# EAGLE board RedBoard-Panel (EAGLE 9.6.2), part 3 of 6
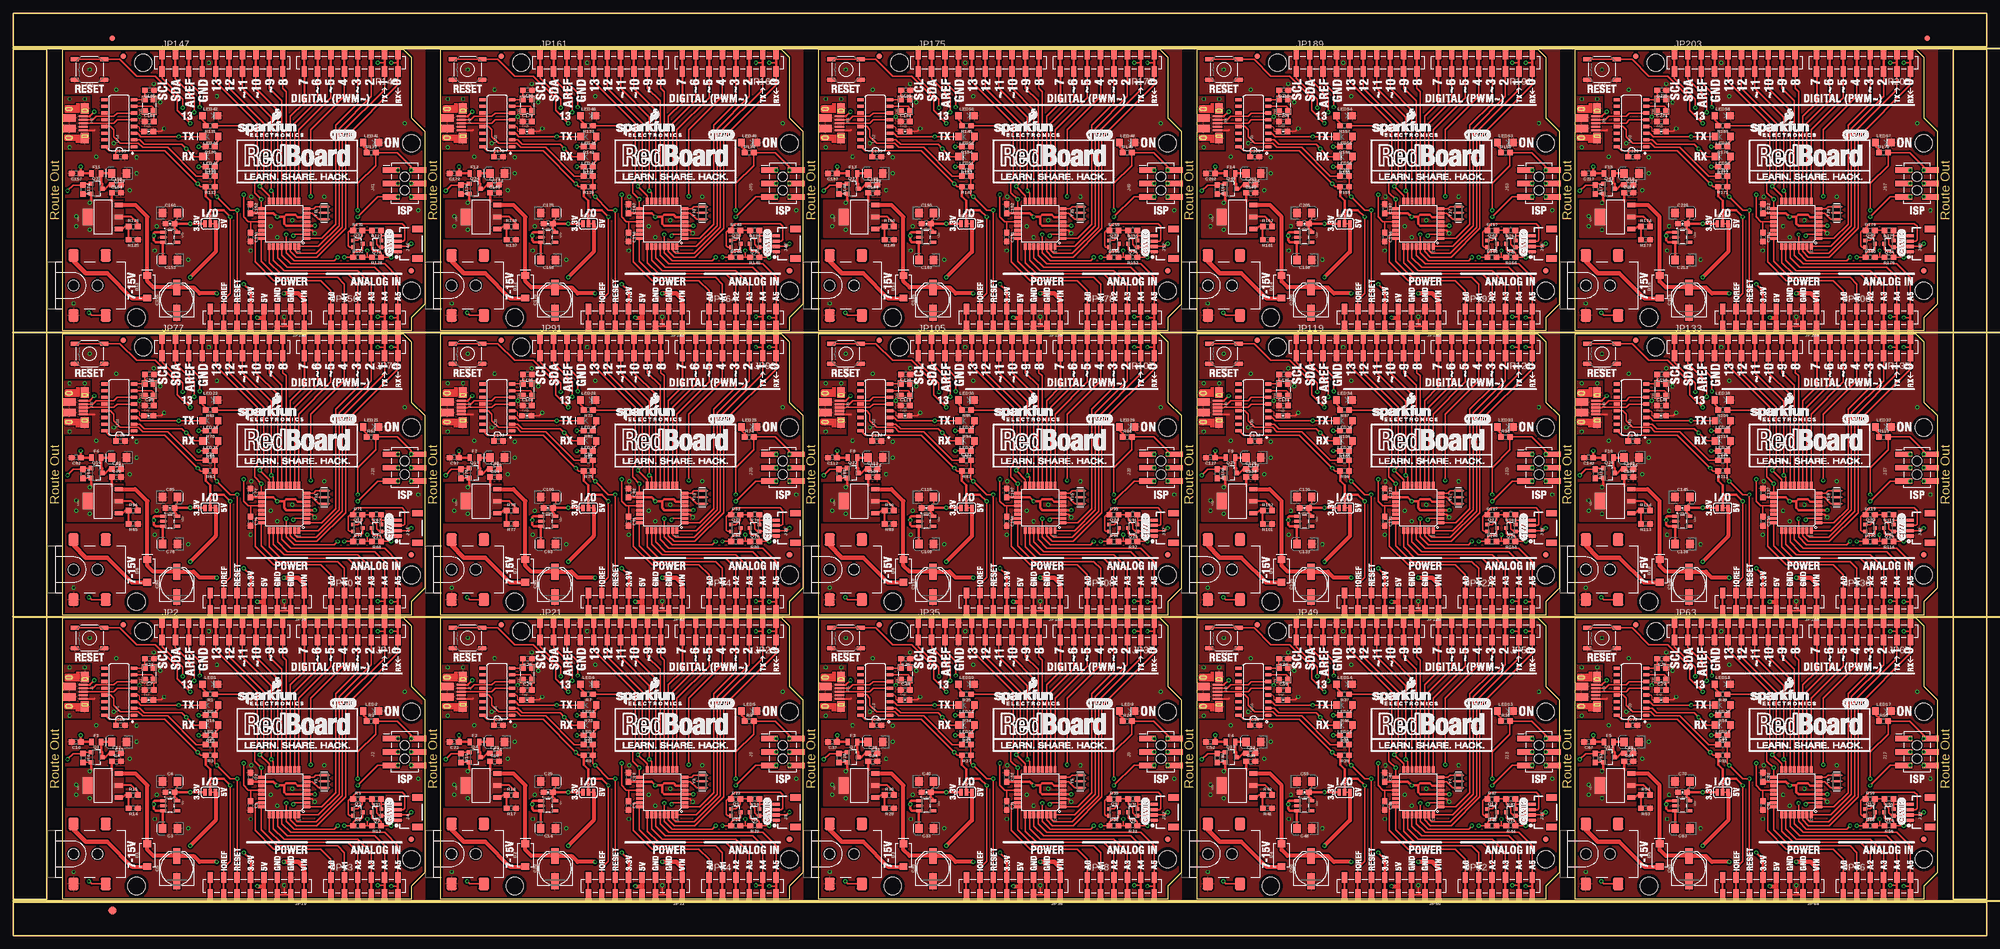
[diagram p0: board, top side]
## Tracks (layer width: path | path; a pad name or v marks a point on that pad's centre or on a via) (continued)
3.3V3  (via drill 0.38) (continued)
  Top 0.508: JP50.5 259.84,14.48 v258.57,15.75 | I/O3.1 v248.41,27.18 C56.1 245.45,26.33 245.87,25.91 245.87,25.62 U15.5
  Bottom 0.305: v258.57,15.75 259.46,14.86 275.46,14.86 282.7,7.62 287.27,7.62 287.78,8.13 287.78,20.83 v290.32,23.37
  Bottom 0.508: v248.41,27.18 248.41,25.91 v258.57,15.75
3.3V4  (via drill 0.38)
  Top 0.254: 331.47,11.05 JP64.5
  Top 0.305: C70.+ 317.63,28.07 317.08,27.52 C71.1 | Q15.1 351.81,24.02 352.64,24.85 R59.2 R55.2 354.5,24.98 355.35,24.13 355.35,23.24 355.87,22.72 Q14.1 357.74,22.72 357.89,22.87 J20.2 361.45,22.87 v361.95,23.37
  Top 0.508: JP64.5 331.47,14.48 v330.2,15.75 | I/O4.1 v320.04,27.18 C71.1 317.08,26.33 317.5,25.91 317.5,25.62 U19.5
  Bottom 0.305: v330.2,15.75 331.09,14.86 347.09,14.86 354.33,7.62 358.9,7.62 359.41,8.13 359.41,20.83 v361.95,23.37
  Bottom 0.508: v320.04,27.18 320.04,25.91 v330.2,15.75
3.3V5  (via drill 0.38)
  Top 0.254: 44.96,64.9 JP78.5
  Top 0.305: C85.+ 31.12,81.92 30.57,81.37 C86.1 | Q18.1 65.29,77.87 66.13,78.7 R71.2 R67.2 67.98,78.83 68.83,77.98 68.83,77.09 69.36,76.57 Q17.1 71.23,76.57 71.38,76.72 J24.2 74.94,76.72 v75.44,77.22
  Top 0.508: JP78.5 44.96,68.33 v43.69,69.6 | I/O5.1 v33.53,81.03 C86.1 30.57,80.18 30.99,79.76 30.99,79.47 U23.5
  Bottom 0.305: v43.69,69.6 44.58,68.71 60.58,68.71 67.82,61.47 72.39,61.47 72.9,61.98 72.9,74.68 v75.44,77.22
  Bottom 0.508: v33.53,81.03 33.53,79.76 v43.69,69.6
3.3V6  (via drill 0.38)
  Top 0.254: 116.59,64.9 JP92.5
  Top 0.305: C100.+ 102.75,81.92 102.2,81.37 C101.1 | Q21.1 136.92,77.87 137.76,78.7 R83.2 R79.2 139.61,78.83 140.46,77.98 140.46,77.09 140.98,76.57 Q20.1 142.86,76.57 143.01,76.72 J28.2 146.57,76.72 v147.07,77.22
  Top 0.508: JP92.5 116.59,68.33 v115.32,69.6 | I/O6.1 v105.16,81.03 C101.1 102.2,80.18 102.62,79.76 102.62,79.47 U27.5
  Bottom 0.305: v115.32,69.6 116.2,68.71 132.21,68.71 139.45,61.47 144.02,61.47 144.53,61.98 144.53,74.68 v147.07,77.22
  Bottom 0.508: v105.16,81.03 105.16,79.76 v115.32,69.6
3.3V7  (via drill 0.38)
  Top 0.254: 188.21,64.9 JP106.5
  Top 0.305: C115.+ 174.37,81.92 173.82,81.37 C116.1 | Q24.1 208.55,77.87 209.38,78.7 R95.2 R91.2 211.24,78.83 212.09,77.98 212.09,77.09 212.61,76.57 Q23.1 214.49,76.57 214.64,76.72 J32.2 218.19,76.72 v218.69,77.22
  Top 0.508: JP106.5 188.21,68.33 v186.94,69.6 | I/O7.1 v176.78,81.03 C116.1 173.82,80.18 174.24,79.76 174.24,79.47 U31.5
  Bottom 0.305: v186.94,69.6 187.83,68.71 203.84,68.71 211.07,61.47 215.65,61.47 216.15,61.98 216.15,74.68 v218.69,77.22
  Bottom 0.508: v176.78,81.03 176.78,79.76 v186.94,69.6
3.3V8  (via drill 0.38)
  Top 0.254: 259.84,64.9 JP120.5
  Top 0.305: C130.+ 246,81.92 245.45,81.37 C131.1 | Q27.1 280.18,77.87 281.01,78.7 R107.2 R103.2 282.87,78.83 283.72,77.98 283.72,77.09 284.24,76.57 Q26.1 286.12,76.57 286.27,76.72 J36.2 289.82,76.72 v290.32,77.22
  Top 0.508: JP120.5 259.84,68.33 v258.57,69.6 | I/O8.1 v248.41,81.03 C131.1 245.45,80.18 245.87,79.76 245.87,79.47 U35.5
  Bottom 0.305: v258.57,69.6 259.46,68.71 275.46,68.71 282.7,61.47 287.27,61.47 287.78,61.98 287.78,74.68 v290.32,77.22
  Bottom 0.508: v248.41,81.03 248.41,79.76 v258.57,69.6
3.3V9  (via drill 0.38)
  Top 0.254: 331.47,64.9 JP134.5
  Top 0.305: C145.+ 317.63,81.92 317.08,81.37 C146.1 | Q30.1 351.81,77.87 352.64,78.7 R119.2 R115.2 354.5,78.83 355.35,77.98 355.35,77.09 355.87,76.57 Q29.1 357.74,76.57 357.89,76.72 J40.2 361.45,76.72 v361.95,77.22
  Top 0.508: JP134.5 331.47,68.33 v330.2,69.6 | I/O9.1 v320.04,81.03 C146.1 317.08,80.18 317.5,79.76 317.5,79.47 U39.5
  Bottom 0.305: v330.2,69.6 331.09,68.71 347.09,68.71 354.33,61.47 358.9,61.47 359.41,61.98 359.41,74.68 v361.95,77.22
  Bottom 0.508: v320.04,81.03 320.04,79.76 v330.2,69.6
3.3V10  (via drill 0.38)
  Top 0.254: 44.96,118.74 JP148.5
  Top 0.305: C160.+ 31.12,135.77 30.57,135.22 C161.1 | Q33.1 65.29,131.71 66.13,132.55 R131.2 R127.2 67.98,132.68 68.83,131.83 68.83,130.94 69.36,130.41 Q32.1 71.23,130.41 71.38,130.56 J44.2 74.94,130.56 v75.44,131.06
  Top 0.508: JP148.5 44.96,122.17 v43.69,123.44 | I/O10.1 v33.53,134.87 C161.1 30.57,134.02 30.99,133.6 30.99,133.31 U43.5
  Bottom 0.305: v43.69,123.44 44.58,122.56 60.58,122.56 67.82,115.32 72.39,115.32 72.9,115.82 72.9,128.52 v75.44,131.06
  Bottom 0.508: v33.53,134.87 33.53,133.6 v43.69,123.44
3.3V11  (via drill 0.38)
  Top 0.254: 116.59,118.74 JP162.5
  Top 0.305: C175.+ 102.75,135.77 102.2,135.22 C176.1 | Q36.1 136.92,131.71 137.76,132.55 R143.2 R139.2 139.61,132.68 140.46,131.83 140.46,130.94 140.98,130.41 Q35.1 142.86,130.41 143.01,130.56 J48.2 146.57,130.56 v147.07,131.06
  Top 0.508: JP162.5 116.59,122.17 v115.32,123.44 | I/O11.1 v105.16,134.87 C176.1 102.2,134.02 102.62,133.6 102.62,133.31 U47.5
  Bottom 0.305: v115.32,123.44 116.2,122.56 132.21,122.56 139.45,115.32 144.02,115.32 144.53,115.82 144.53,128.52 v147.07,131.06
  Bottom 0.508: v105.16,134.87 105.16,133.6 v115.32,123.44
3.3V12  (via drill 0.38)
  Top 0.254: 188.21,118.74 JP176.5
  Top 0.305: C190.+ 174.37,135.77 173.82,135.22 C191.1 | Q39.1 208.55,131.71 209.38,132.55 R155.2 R151.2 211.24,132.68 212.09,131.83 212.09,130.94 212.61,130.41 Q38.1 214.49,130.41 214.64,130.56 J52.2 218.19,130.56 v218.69,131.06
  Top 0.508: JP176.5 188.21,122.17 v186.94,123.44 | I/O12.1 v176.78,134.87 C191.1 173.82,134.02 174.24,133.6 174.24,133.31 U51.5
  Bottom 0.305: v186.94,123.44 187.83,122.56 203.84,122.56 211.07,115.32 215.65,115.32 216.15,115.82 216.15,128.52 v218.69,131.06
  Bottom 0.508: v176.78,134.87 176.78,133.6 v186.94,123.44
3.3V13  (via drill 0.38)
  Top 0.254: 259.84,118.74 JP190.5
  Top 0.305: C205.+ 246,135.77 245.45,135.22 C206.1 | Q42.1 280.18,131.71 281.01,132.55 R167.2 R163.2 282.87,132.68 283.72,131.83 283.72,130.94 284.24,130.41 Q41.1 286.12,130.41 286.27,130.56 J56.2 289.82,130.56 v290.32,131.06
  Top 0.508: JP190.5 259.84,122.17 v258.57,123.44 | I/O13.1 v248.41,134.87 C206.1 245.45,134.02 245.87,133.6 245.87,133.31 U55.5
  Bottom 0.305: v258.57,123.44 259.46,122.56 275.46,122.56 282.7,115.32 287.27,115.32 287.78,115.82 287.78,128.52 v290.32,131.06
  Bottom 0.508: v248.41,134.87 248.41,133.6 v258.57,123.44
3.3V14  (via drill 0.38)
  Top 0.254: 331.47,118.74 JP204.5
  Top 0.305: C220.+ 317.63,135.77 317.08,135.22 C221.1 | Q45.1 351.81,131.71 352.64,132.55 R179.2 R175.2 354.5,132.68 355.35,131.83 355.35,130.94 355.87,130.41 Q44.1 357.74,130.41 357.89,130.56 J60.2 361.45,130.56 v361.95,131.06
  Top 0.508: JP204.5 331.47,122.17 v330.2,123.44 | I/O14.1 v320.04,134.87 C221.1 317.08,134.02 317.5,133.6 317.5,133.31 U59.5
  Bottom 0.305: v330.2,123.44 331.09,122.56 347.09,122.56 354.33,115.32 358.9,115.32 359.41,115.82 359.41,128.52 v361.95,131.06
  Bottom 0.508: v320.04,134.87 320.04,133.6 v330.2,123.44
5V  (via drill 0.38)
  Top 0.305: JP10.4 47.5,8.89 | R4.2 14.72,32.8 Q1.2
  Top 0.406: U2.2 22.35,28.45 23.58,27.22 R15.2
  Top 0.508: C3.+ 28.32,23.59 U3.3 26.98,23.69 26.67,24 v26.67,24.89 26.67,25.4 26.86,25.59 U3.1 | Q1.2 14.75,31.4 v14.48,31.13 | C4.1 18.71,31.41
  Top 0.762: v46.23,9.4 47.24,9.4 47.5,9.65 | I/O.3 38.35,21.84 v33.53,17.02
  Top 0.813: JP10.4 47.5,9.65 47.5,8.89 47.5,7.75
  Bottom 0.762: v46.23,9.4 41.15,9.4 v33.53,17.02 26.67,23.88 v26.67,24.89 20.95,24.89
  other vias: 11.94,28.59 14.48,26.05 11.94,26.68
  pour Bottom (isolate 0.305, no thermals): 10.29,36.83 20.19,36.83 20.19,27.18 22.1,25.27 22.1,24.64 10.29,24.64
  pour Top (isolate 0.305, no thermals): 10.29,24.64 10.29,31.62 20.83,31.62 20.83,24.64
5V1  (via drill 0.38)
  Top 0.305: JP22.4 119.13,8.89 | R10.2 86.35,32.8 Q4.2
  Top 0.406: U5.2 93.98,28.45 95.21,27.22 R18.2
  Top 0.508: C14.+ 99.95,23.59 U7.3 98.61,23.69 98.3,24 v98.3,24.89 98.3,25.4 98.49,25.59 U7.1 | Q4.2 86.38,31.4 v86.11,31.13 | C19.1 90.34,31.41
  Top 0.762: v117.86,9.4 118.87,9.4 119.13,9.65 | I/O1.3 109.98,21.84 v105.16,17.02
  Top 0.813: JP22.4 119.13,9.65 119.13,8.89 119.13,7.75
  Bottom 0.762: v117.86,9.4 112.78,9.4 v105.16,17.02 98.3,23.88 v98.3,24.89 92.58,24.89
  other vias: 83.57,28.59 86.11,26.05 83.57,26.68
  pour Bottom (isolate 0.305, no thermals): 81.91,36.83 91.82,36.83 91.82,27.18 93.73,25.27 93.73,24.64 81.91,24.64
  pour Top (isolate 0.305, no thermals): 81.91,24.64 81.91,31.62 92.46,31.62 92.46,24.64
5V2  (via drill 0.38)
  Top 0.305: JP36.4 190.75,8.89 | R28.2 157.98,32.8 Q7.2
  Top 0.406: U9.2 165.61,28.45 166.84,27.22 R30.2
  Top 0.508: C33.+ 171.57,23.59 U11.3 170.24,23.69 169.93,24 v169.93,24.89 169.93,25.4 170.11,25.59 U11.1 | Q7.2 158,31.4 v157.73,31.13 | C34.1 161.96,31.41
  Top 0.762: v189.48,9.4 190.5,9.4 190.75,9.65 | I/O2.3 181.61,21.84 v176.78,17.02
  Top 0.813: JP36.4 190.75,9.65 190.75,8.89 190.75,7.75
  Bottom 0.762: v189.48,9.4 184.4,9.4 v176.78,17.02 169.93,23.88 v169.93,24.89 164.21,24.89
  other vias: 155.19,28.59 157.73,26.05 155.19,26.68
  pour Bottom (isolate 0.305, no thermals): 153.54,36.83 163.45,36.83 163.45,27.18 165.35,25.27 165.35,24.64 153.54,24.64
  pour Top (isolate 0.305, no thermals): 153.54,24.64 153.54,31.62 164.08,31.62 164.08,24.64
5V3  (via drill 0.38)
  Top 0.305: JP50.4 262.38,8.89 | R40.2 229.6,32.8 Q10.2
  Top 0.406: U13.2 237.24,28.45 238.47,27.22 R42.2
  Top 0.508: C48.+ 243.2,23.59 U15.3 241.87,23.69 241.55,24 v241.55,24.89 241.55,25.4 241.74,25.59 U15.1 | Q10.2 229.63,31.4 v229.36,31.13 | C49.1 233.59,31.41
  Top 0.762: v261.11,9.4 262.13,9.4 262.38,9.65 | I/O3.3 253.24,21.84 v248.41,17.02
  Top 0.813: JP50.4 262.38,9.65 262.38,8.89 262.38,7.75
  Bottom 0.762: v261.11,9.4 256.03,9.4 v248.41,17.02 241.55,23.88 v241.55,24.89 235.84,24.89
  other vias: 226.82,28.59 229.36,26.05 226.82,26.68
  pour Bottom (isolate 0.305, no thermals): 225.17,36.83 235.08,36.83 235.08,27.18 236.98,25.27 236.98,24.64 225.17,24.64
  pour Top (isolate 0.305, no thermals): 225.17,24.64 225.17,31.62 235.71,31.62 235.71,24.64
5V4  (via drill 0.38)
  Top 0.305: JP64.4 334.01,8.89 | R52.2 301.23,32.8 Q13.2
  Top 0.406: U17.2 308.86,28.45 310.1,27.22 R54.2
  Top 0.508: C63.+ 314.83,23.59 U19.3 313.5,23.69 313.18,24 v313.18,24.89 313.18,25.4 313.37,25.59 U19.1 | Q13.2 301.26,31.4 v300.99,31.13 | C64.1 305.22,31.41
  Top 0.762: v332.74,9.4 333.76,9.4 334.01,9.65 | I/O4.3 324.87,21.84 v320.04,17.02
  Top 0.813: JP64.4 334.01,9.65 334.01,8.89 334.01,7.75
  Bottom 0.762: v332.74,9.4 327.66,9.4 v320.04,17.02 313.18,23.88 v313.18,24.89 307.47,24.89
  other vias: 298.45,28.59 300.99,26.05 298.45,26.68
  pour Bottom (isolate 0.305, no thermals): 296.8,36.83 306.71,36.83 306.71,27.18 308.61,25.27 308.61,24.64 296.8,24.64
  pour Top (isolate 0.305, no thermals): 296.8,24.64 296.8,31.62 307.34,31.62 307.34,24.64
5V5  (via drill 0.38)
  Top 0.305: JP78.4 47.5,62.74 | R64.2 14.72,86.65 Q16.2
  Top 0.406: U21.2 22.35,82.3 23.58,81.06 R66.2
  Top 0.508: C78.+ 28.32,77.44 U23.3 26.98,77.54 26.67,77.85 v26.67,78.74 26.67,79.25 26.86,79.44 U23.1 | Q16.2 14.75,85.25 v14.48,84.98 | C79.1 18.71,85.26
  Top 0.762: v46.23,63.25 47.24,63.25 47.5,63.5 | I/O5.3 38.35,75.69 v33.53,70.87
  Top 0.813: JP78.4 47.5,63.5 47.5,62.74 47.5,61.6
  Bottom 0.762: v46.23,63.25 41.15,63.25 v33.53,70.87 26.67,77.72 v26.67,78.74 20.95,78.74
  other vias: 11.94,82.44 14.48,79.9 11.94,80.53
  pour Bottom (isolate 0.305, no thermals): 10.29,90.68 20.19,90.68 20.19,81.03 22.1,79.12 22.1,78.49 10.29,78.49
  pour Top (isolate 0.305, no thermals): 10.29,78.49 10.29,85.47 20.83,85.47 20.83,78.49
5V6  (via drill 0.38)
  Top 0.305: JP92.4 119.13,62.74 | R76.2 86.35,86.65 Q19.2
  Top 0.406: U25.2 93.98,82.3 95.21,81.06 R78.2
  Top 0.508: C93.+ 99.95,77.44 U27.3 98.61,77.54 98.3,77.85 v98.3,78.74 98.3,79.25 98.49,79.44 U27.1 | Q19.2 86.38,85.25 v86.11,84.98 | C94.1 90.34,85.26
  Top 0.762: v117.86,63.25 118.87,63.25 119.13,63.5 | I/O6.3 109.98,75.69 v105.16,70.87
  Top 0.813: JP92.4 119.13,63.5 119.13,62.74 119.13,61.6
  Bottom 0.762: v117.86,63.25 112.78,63.25 v105.16,70.87 98.3,77.72 v98.3,78.74 92.58,78.74
  other vias: 83.57,82.44 86.11,79.9 83.57,80.53
  pour Bottom (isolate 0.305, no thermals): 81.91,90.68 91.82,90.68 91.82,81.03 93.73,79.12 93.73,78.49 81.91,78.49
  pour Top (isolate 0.305, no thermals): 81.91,78.49 81.91,85.47 92.46,85.47 92.46,78.49
5V7  (via drill 0.38)
  Top 0.305: JP106.4 190.75,62.74 | R88.2 157.98,86.65 Q22.2
  Top 0.406: U29.2 165.61,82.3 166.84,81.06 R90.2
  Top 0.508: C108.+ 171.57,77.44 U31.3 170.24,77.54 169.93,77.85 v169.93,78.74 169.93,79.25 170.11,79.44 U31.1 | Q22.2 158,85.25 v157.73,84.98 | C109.1 161.96,85.26
  Top 0.762: v189.48,63.25 190.5,63.25 190.75,63.5 | I/O7.3 181.61,75.69 v176.78,70.87
  Top 0.813: JP106.4 190.75,63.5 190.75,62.74 190.75,61.6
  Bottom 0.762: v189.48,63.25 184.4,63.25 v176.78,70.87 169.93,77.72 v169.93,78.74 164.21,78.74
  other vias: 155.19,82.44 157.73,79.9 155.19,80.53
  pour Bottom (isolate 0.305, no thermals): 153.54,90.68 163.45,90.68 163.45,81.03 165.35,79.12 165.35,78.49 153.54,78.49
  pour Top (isolate 0.305, no thermals): 153.54,78.49 153.54,85.47 164.08,85.47 164.08,78.49
5V8  (via drill 0.38)
  Top 0.305: JP120.4 262.38,62.74 | R100.2 229.6,86.65 Q25.2
  Top 0.406: U33.2 237.24,82.3 238.47,81.06 R102.2
  Top 0.508: C123.+ 243.2,77.44 U35.3 241.87,77.54 241.55,77.85 v241.55,78.74 241.55,79.25 241.74,79.44 U35.1 | Q25.2 229.63,85.25 v229.36,84.98 | C124.1 233.59,85.26
  Top 0.762: v261.11,63.25 262.13,63.25 262.38,63.5 | I/O8.3 253.24,75.69 v248.41,70.87
  Top 0.813: JP120.4 262.38,63.5 262.38,62.74 262.38,61.6
  Bottom 0.762: v261.11,63.25 256.03,63.25 v248.41,70.87 241.55,77.72 v241.55,78.74 235.84,78.74
  other vias: 226.82,82.44 229.36,79.9 226.82,80.53
  pour Bottom (isolate 0.305, no thermals): 225.17,90.68 235.08,90.68 235.08,81.03 236.98,79.12 236.98,78.49 225.17,78.49
  pour Top (isolate 0.305, no thermals): 225.17,78.49 225.17,85.47 235.71,85.47 235.71,78.49
5V9  (via drill 0.38)
  Top 0.305: JP134.4 334.01,62.74 | R112.2 301.23,86.65 Q28.2
  Top 0.406: U37.2 308.86,82.3 310.1,81.06 R114.2
  Top 0.508: C138.+ 314.83,77.44 U39.3 313.5,77.54 313.18,77.85 v313.18,78.74 313.18,79.25 313.37,79.44 U39.1 | Q28.2 301.26,85.25 v300.99,84.98 | C139.1 305.22,85.26
  Top 0.762: v332.74,63.25 333.76,63.25 334.01,63.5 | I/O9.3 324.87,75.69 v320.04,70.87
  Top 0.813: JP134.4 334.01,63.5 334.01,62.74 334.01,61.6
  Bottom 0.762: v332.74,63.25 327.66,63.25 v320.04,70.87 313.18,77.72 v313.18,78.74 307.47,78.74
  other vias: 298.45,82.44 300.99,79.9 298.45,80.53
  pour Bottom (isolate 0.305, no thermals): 296.8,90.68 306.71,90.68 306.71,81.03 308.61,79.12 308.61,78.49 296.8,78.49
  pour Top (isolate 0.305, no thermals): 296.8,78.49 296.8,85.47 307.34,85.47 307.34,78.49
5V10  (via drill 0.38)
  Top 0.305: JP148.4 47.5,116.59 | R124.2 14.72,140.5 Q31.2
  Top 0.406: U41.2 22.35,136.14 23.58,134.91 R126.2
  Top 0.508: C153.+ 28.32,131.28 U43.3 26.98,131.38 26.67,131.7 v26.67,132.59 26.67,133.1 26.86,133.28 U43.1 | Q31.2 14.75,139.09 v14.48,138.82 | C154.1 18.71,139.1
  Top 0.762: v46.23,117.09 47.24,117.09 47.5,117.35 | I/O10.3 38.35,129.54 v33.53,124.71
  Top 0.813: JP148.4 47.5,117.35 47.5,116.59 47.5,115.44
  Bottom 0.762: v46.23,117.09 41.15,117.09 v33.53,124.71 26.67,131.57 v26.67,132.59 20.95,132.59
  other vias: 11.94,136.28 14.48,133.74 11.94,134.38
  pour Bottom (isolate 0.305, no thermals): 10.29,144.53 20.19,144.53 20.19,134.87 22.1,132.97 22.1,132.33 10.29,132.33
  pour Top (isolate 0.305, no thermals): 10.29,132.33 10.29,139.32 20.83,139.32 20.83,132.33
5V11  (via drill 0.38)
  Top 0.305: JP162.4 119.13,116.59 | R136.2 86.35,140.5 Q34.2
  Top 0.406: U45.2 93.98,136.14 95.21,134.91 R138.2
  Top 0.508: C168.+ 99.95,131.28 U47.3 98.61,131.38 98.3,131.7 v98.3,132.59 98.3,133.1 98.49,133.28 U47.1 | Q34.2 86.38,139.09 v86.11,138.82 | C169.1 90.34,139.1
  Top 0.762: v117.86,117.09 118.87,117.09 119.13,117.35 | I/O11.3 109.98,129.54 v105.16,124.71
  Top 0.813: JP162.4 119.13,117.35 119.13,116.59 119.13,115.44
  Bottom 0.762: v117.86,117.09 112.78,117.09 v105.16,124.71 98.3,131.57 v98.3,132.59 92.58,132.59
  other vias: 83.57,136.28 86.11,133.74 83.57,134.38
  pour Bottom (isolate 0.305, no thermals): 81.91,144.53 91.82,144.53 91.82,134.87 93.73,132.97 93.73,132.33 81.91,132.33
  pour Top (isolate 0.305, no thermals): 81.91,132.33 81.91,139.32 92.46,139.32 92.46,132.33
5V12  (via drill 0.38)
  Top 0.305: JP176.4 190.75,116.59 | R148.2 157.98,140.5 Q37.2
  Top 0.406: U49.2 165.61,136.14 166.84,134.91 R150.2
  Top 0.508: C183.+ 171.57,131.28 U51.3 170.24,131.38 169.93,131.7 v169.93,132.59 169.93,133.1 170.11,133.28 U51.1 | Q37.2 158,139.09 v157.73,138.82 | C184.1 161.96,139.1
  Top 0.762: v189.48,117.09 190.5,117.09 190.75,117.35 | I/O12.3 181.61,129.54 v176.78,124.71
  Top 0.813: JP176.4 190.75,117.35 190.75,116.59 190.75,115.44
  Bottom 0.762: v189.48,117.09 184.4,117.09 v176.78,124.71 169.93,131.57 v169.93,132.59 164.21,132.59
  other vias: 155.19,136.28 157.73,133.74 155.19,134.38
  pour Bottom (isolate 0.305, no thermals): 153.54,144.53 163.45,144.53 163.45,134.87 165.35,132.97 165.35,132.33 153.54,132.33
  pour Top (isolate 0.305, no thermals): 153.54,132.33 153.54,139.32 164.08,139.32 164.08,132.33
5V13  (via drill 0.38)
  Top 0.305: JP190.4 262.38,116.59 | R160.2 229.6,140.5 Q40.2
  Top 0.406: U53.2 237.24,136.14 238.47,134.91 R162.2
  Top 0.508: C198.+ 243.2,131.28 U55.3 241.87,131.38 241.55,131.7 v241.55,132.59 241.55,133.1 241.74,133.28 U55.1 | Q40.2 229.63,139.09 v229.36,138.82 | C199.1 233.59,139.1
  Top 0.762: v261.11,117.09 262.13,117.09 262.38,117.35 | I/O13.3 253.24,129.54 v248.41,124.71
  Top 0.813: JP190.4 262.38,117.35 262.38,116.59 262.38,115.44
  Bottom 0.762: v261.11,117.09 256.03,117.09 v248.41,124.71 241.55,131.57 v241.55,132.59 235.84,132.59
  other vias: 226.82,136.28 229.36,133.74 226.82,134.38
  pour Bottom (isolate 0.305, no thermals): 225.17,144.53 235.08,144.53 235.08,134.87 236.98,132.97 236.98,132.33 225.17,132.33
  pour Top (isolate 0.305, no thermals): 225.17,132.33 225.17,139.32 235.71,139.32 235.71,132.33
5V14  (via drill 0.38)
  Top 0.305: JP204.4 334.01,116.59 | R172.2 301.23,140.5 Q43.2
  Top 0.406: U57.2 308.86,136.14 310.1,134.91 R174.2
  Top 0.508: C213.+ 314.83,131.28 U59.3 313.5,131.38 313.18,131.7 v313.18,132.59 313.18,133.1 313.37,133.28 U59.1 | Q43.2 301.26,139.09 v300.99,138.82 | C214.1 305.22,139.1
  Top 0.762: v332.74,117.09 333.76,117.09 334.01,117.35 | I/O14.3 324.87,129.54 v320.04,124.71
  Top 0.813: JP204.4 334.01,117.35 334.01,116.59 334.01,115.44
  Bottom 0.762: v332.74,117.09 327.66,117.09 v320.04,124.71 313.18,131.57 v313.18,132.59 307.47,132.59
  other vias: 298.45,136.28 300.99,133.74 298.45,134.38
  pour Bottom (isolate 0.305, no thermals): 296.8,144.53 306.71,144.53 306.71,134.87 308.61,132.97 308.61,132.33 296.8,132.33
  pour Top (isolate 0.305, no thermals): 296.8,132.33 296.8,139.32 307.34,139.32 307.34,132.33
!DTR
  Top 0.254: C8.1 34.67,36.2 29.23,41.63 24.51,41.63 23.72,42.42 20.32,42.42 19.05,43.69 19.05,44.96 18.41,45.59 U1.13
!DTR1
  Top 0.254: C21.1 106.3,36.2 100.86,41.63 96.14,41.63 95.35,42.42 91.95,42.42 90.68,43.69 90.68,44.96 90.04,45.59 U8.13
!DTR2
  Top 0.254: C36.1 177.93,36.2 172.49,41.63 167.77,41.63 166.98,42.42 163.58,42.42 162.31,43.69 162.31,44.96 161.67,45.59 U12.13
!DTR3
  Top 0.254: C51.1 249.56,36.2 244.12,41.63 239.4,41.63 238.61,42.42 235.2,42.42 233.93,43.69 233.93,44.96 233.3,45.59 U16.13
!DTR4
  Top 0.254: C66.1 321.18,36.2 315.75,41.63 311.02,41.63 310.24,42.42 306.83,42.42 305.56,43.69 305.56,44.96 304.93,45.59 U20.13
!DTR5
  Top 0.254: C81.1 34.67,90.04 29.23,95.48 24.51,95.48 23.72,96.27 20.32,96.27 19.05,97.54 19.05,98.81 18.41,99.44 U24.13
!DTR6
  Top 0.254: C96.1 106.3,90.04 100.86,95.48 96.14,95.48 95.35,96.27 91.95,96.27 90.68,97.54 90.68,98.81 90.04,99.44 U28.13
!DTR7
  Top 0.254: C111.1 177.93,90.04 172.49,95.48 167.77,95.48 166.98,96.27 163.58,96.27 162.31,97.54 162.31,98.81 161.67,99.44 U32.13
!DTR8
  Top 0.254: C126.1 249.56,90.04 244.12,95.48 239.4,95.48 238.61,96.27 235.2,96.27 233.93,97.54 233.93,98.81 233.3,99.44 U36.13
!DTR9
  Top 0.254: C141.1 321.18,90.04 315.75,95.48 311.02,95.48 310.24,96.27 306.83,96.27 305.56,97.54 305.56,98.81 304.93,99.44 U40.13
!DTR10
  Top 0.254: C156.1 34.67,143.89 29.23,149.33 24.51,149.33 23.72,150.11 20.32,150.11 19.05,151.38 19.05,152.65 18.41,153.29 U44.13
!DTR11
  Top 0.254: C171.1 106.3,143.89 100.86,149.33 96.14,149.33 95.35,150.11 91.95,150.11 90.68,151.38 90.68,152.65 90.04,153.29 U48.13
!DTR12
  Top 0.254: C186.1 177.93,143.89 172.49,149.33 167.77,149.33 166.98,150.11 163.58,150.11 162.31,151.38 162.31,152.65 161.67,153.29 U52.13
!DTR13
  Top 0.254: C201.1 249.56,143.89 244.12,149.33 239.4,149.33 238.61,150.11 235.2,150.11 233.93,151.38 233.93,152.65 233.3,153.29 U56.13
!DTR14
  Top 0.254: C216.1 321.18,143.89 315.75,149.33 311.02,149.33 310.24,150.11 306.83,150.11 305.56,151.38 305.56,152.65 304.93,153.29 U60.13
AD0
  Top 0.254: JP13.1B JP13.1A
  Top 0.305: JP13.1A 60.2,14.48 58.29,16.38 49.4,16.38 45.85,19.94 45.85,24.89 46.13,25.18 U4.23
AD1
  Top 0.254: JP13.2A JP13.2B
  Top 0.305: U4.24 47.02,20.04 50.04,17.02 61.47,17.02 62.74,15.75 JP13.2A
AD2
  Top 0.254: JP13.3B 65.28,8.13
  Top 0.305: U4.25 48.51,19.82 50.67,17.65 63.37,17.65 65.28,15.75 65.28,8.13 JP13.3A
AD3
  Top 0.254: JP13.4A JP13.4B
  Top 0.305: U4.26 49.31,20.29 51.31,18.29 65.28,18.29 67.82,15.75 JP13.4A
AD4
  Top 0.254: JP24.1B JP24.1A
  Top 0.305: JP24.1A 131.83,14.48 129.92,16.38 121.03,16.38 117.47,19.94 117.47,24.89 117.76,25.18 U6.23
AD4/SDA  (via drill 0.38)
  Top 0.254: JP13.5B 70.36,9.52 | JP2.2A JP2.2B
  Top 0.305: U4.27 50.11,20.76 51.94,18.92 68.45,18.92 70.36,17.02 70.36,9.52 | 70.36,9.52 JP13.5A | JP2.2B 30.73,54.61 34.29,51.05 v34.29,48.26 | v69.09,9.52 70.36,9.52
  Bottom 0.305: 62.74,16.51 46.23,16.51 40.13,22.61 40.13,42.42 v34.29,48.26 | v69.09,9.52 62.74,15.88 62.74,16.51 | 62.74,16.51 JP14.2
AD4/SDA1  (via drill 0.38)
  Top 0.254: JP24.5B 141.99,9.52 | JP21.2A JP21.2B
  Top 0.305: U6.27 121.74,20.76 123.57,18.92 140.08,18.92 141.99,17.02 141.99,9.52 | 141.99,9.52 JP24.5A | JP21.2B 102.36,54.61 105.92,51.05 v105.92,48.26 | v140.72,9.52 141.99,9.52
  Bottom 0.305: 134.37,16.51 117.86,16.51 111.76,22.61 111.76,42.42 v105.92,48.26 | v140.72,9.52 134.37,15.88 134.37,16.51 | 134.37,16.51 JP26.2
AD4/SDA2  (via drill 0.38)
  Top 0.254: JP38.5B 213.61,9.52 | JP35.2A JP35.2B
  Top 0.305: U10.27 193.36,20.76 195.2,18.92 211.71,18.92 213.61,17.02 213.61,9.52 | 213.61,9.52 JP38.5A | JP35.2B 173.99,54.61 177.55,51.05 v177.55,48.26 | v212.34,9.52 213.61,9.52
  Bottom 0.305: 205.99,16.51 189.48,16.51 183.39,22.61 183.39,42.42 v177.55,48.26 | v212.34,9.52 205.99,15.88 205.99,16.51 | 205.99,16.51 JP40.2
AD4/SDA3  (via drill 0.38)
  Top 0.254: JP52.5B 285.24,9.52 | JP49.2A JP49.2B
  Top 0.305: U14.27 264.99,20.76 266.83,18.92 283.34,18.92 285.24,17.02 285.24,9.52 | 285.24,9.52 JP52.5A | JP49.2B 245.62,54.61 249.17,51.05 v249.17,48.26 | v283.97,9.52 285.24,9.52
  Bottom 0.305: 277.62,16.51 261.11,16.51 255.02,22.61 255.02,42.42 v249.17,48.26 | v283.97,9.52 277.62,15.88 277.62,16.51 | 277.62,16.51 JP54.2
AD4/SDA4  (via drill 0.38)
  Top 0.254: JP66.5B 356.87,9.52 | JP63.2A JP63.2B
  Top 0.305: U18.27 336.62,20.76 338.46,18.92 354.97,18.92 356.87,17.02 356.87,9.52 | 356.87,9.52 JP66.5A | JP63.2B 317.25,54.61 320.8,51.05 v320.8,48.26 | v355.6,9.52 356.87,9.52
  Bottom 0.305: 349.25,16.51 332.74,16.51 326.64,22.61 326.64,42.42 v320.8,48.26 | v355.6,9.52 349.25,15.88 349.25,16.51 | 349.25,16.51 JP68.2
AD4/SDA5  (via drill 0.38)
  Top 0.254: JP80.5B 70.36,63.37 | JP77.2A JP77.2B
  Top 0.305: U22.27 50.11,74.61 51.94,72.77 68.45,72.77 70.36,70.87 70.36,63.37 | 70.36,63.37 JP80.5A | JP77.2B 30.73,108.46 34.29,104.9 v34.29,102.11 | v69.09,63.37 70.36,63.37
  Bottom 0.305: 62.74,70.36 46.23,70.36 40.13,76.45 40.13,96.27 v34.29,102.11 | v69.09,63.37 62.74,69.72 62.74,70.36 | 62.74,70.36 JP82.2
AD4/SDA6  (via drill 0.38)
  Top 0.254: JP94.5B 141.99,63.37 | JP91.2A JP91.2B
  Top 0.305: U26.27 121.74,74.61 123.57,72.77 140.08,72.77 141.99,70.87 141.99,63.37 | 141.99,63.37 JP94.5A | JP91.2B 102.36,108.46 105.92,104.9 v105.92,102.11 | v140.72,63.37 141.99,63.37
  Bottom 0.305: 134.37,70.36 117.86,70.36 111.76,76.45 111.76,96.27 v105.92,102.11 | v140.72,63.37 134.37,69.72 134.37,70.36 | 134.37,70.36 JP96.2
AD4/SDA7  (via drill 0.38)
  Top 0.254: JP108.5B 213.61,63.37 | JP105.2A JP105.2B
  Top 0.305: U30.27 193.36,74.61 195.2,72.77 211.71,72.77 213.61,70.87 213.61,63.37 | 213.61,63.37 JP108.5A | JP105.2B 173.99,108.46 177.55,104.9 v177.55,102.11 | v212.34,63.37 213.61,63.37
  Bottom 0.305: 205.99,70.36 189.48,70.36 183.39,76.45 183.39,96.27 v177.55,102.11 | v212.34,63.37 205.99,69.72 205.99,70.36 | 205.99,70.36 JP110.2
AD4/SDA8  (via drill 0.38)
  Top 0.254: JP122.5B 285.24,63.37 | JP119.2A JP119.2B
  Top 0.305: U34.27 264.99,74.61 266.83,72.77 283.34,72.77 285.24,70.87 285.24,63.37 | 285.24,63.37 JP122.5A | JP119.2B 245.62,108.46 249.17,104.9 v249.17,102.11 | v283.97,63.37 285.24,63.37